# KiCad board dlev-mini.kicad_pcb (continued)
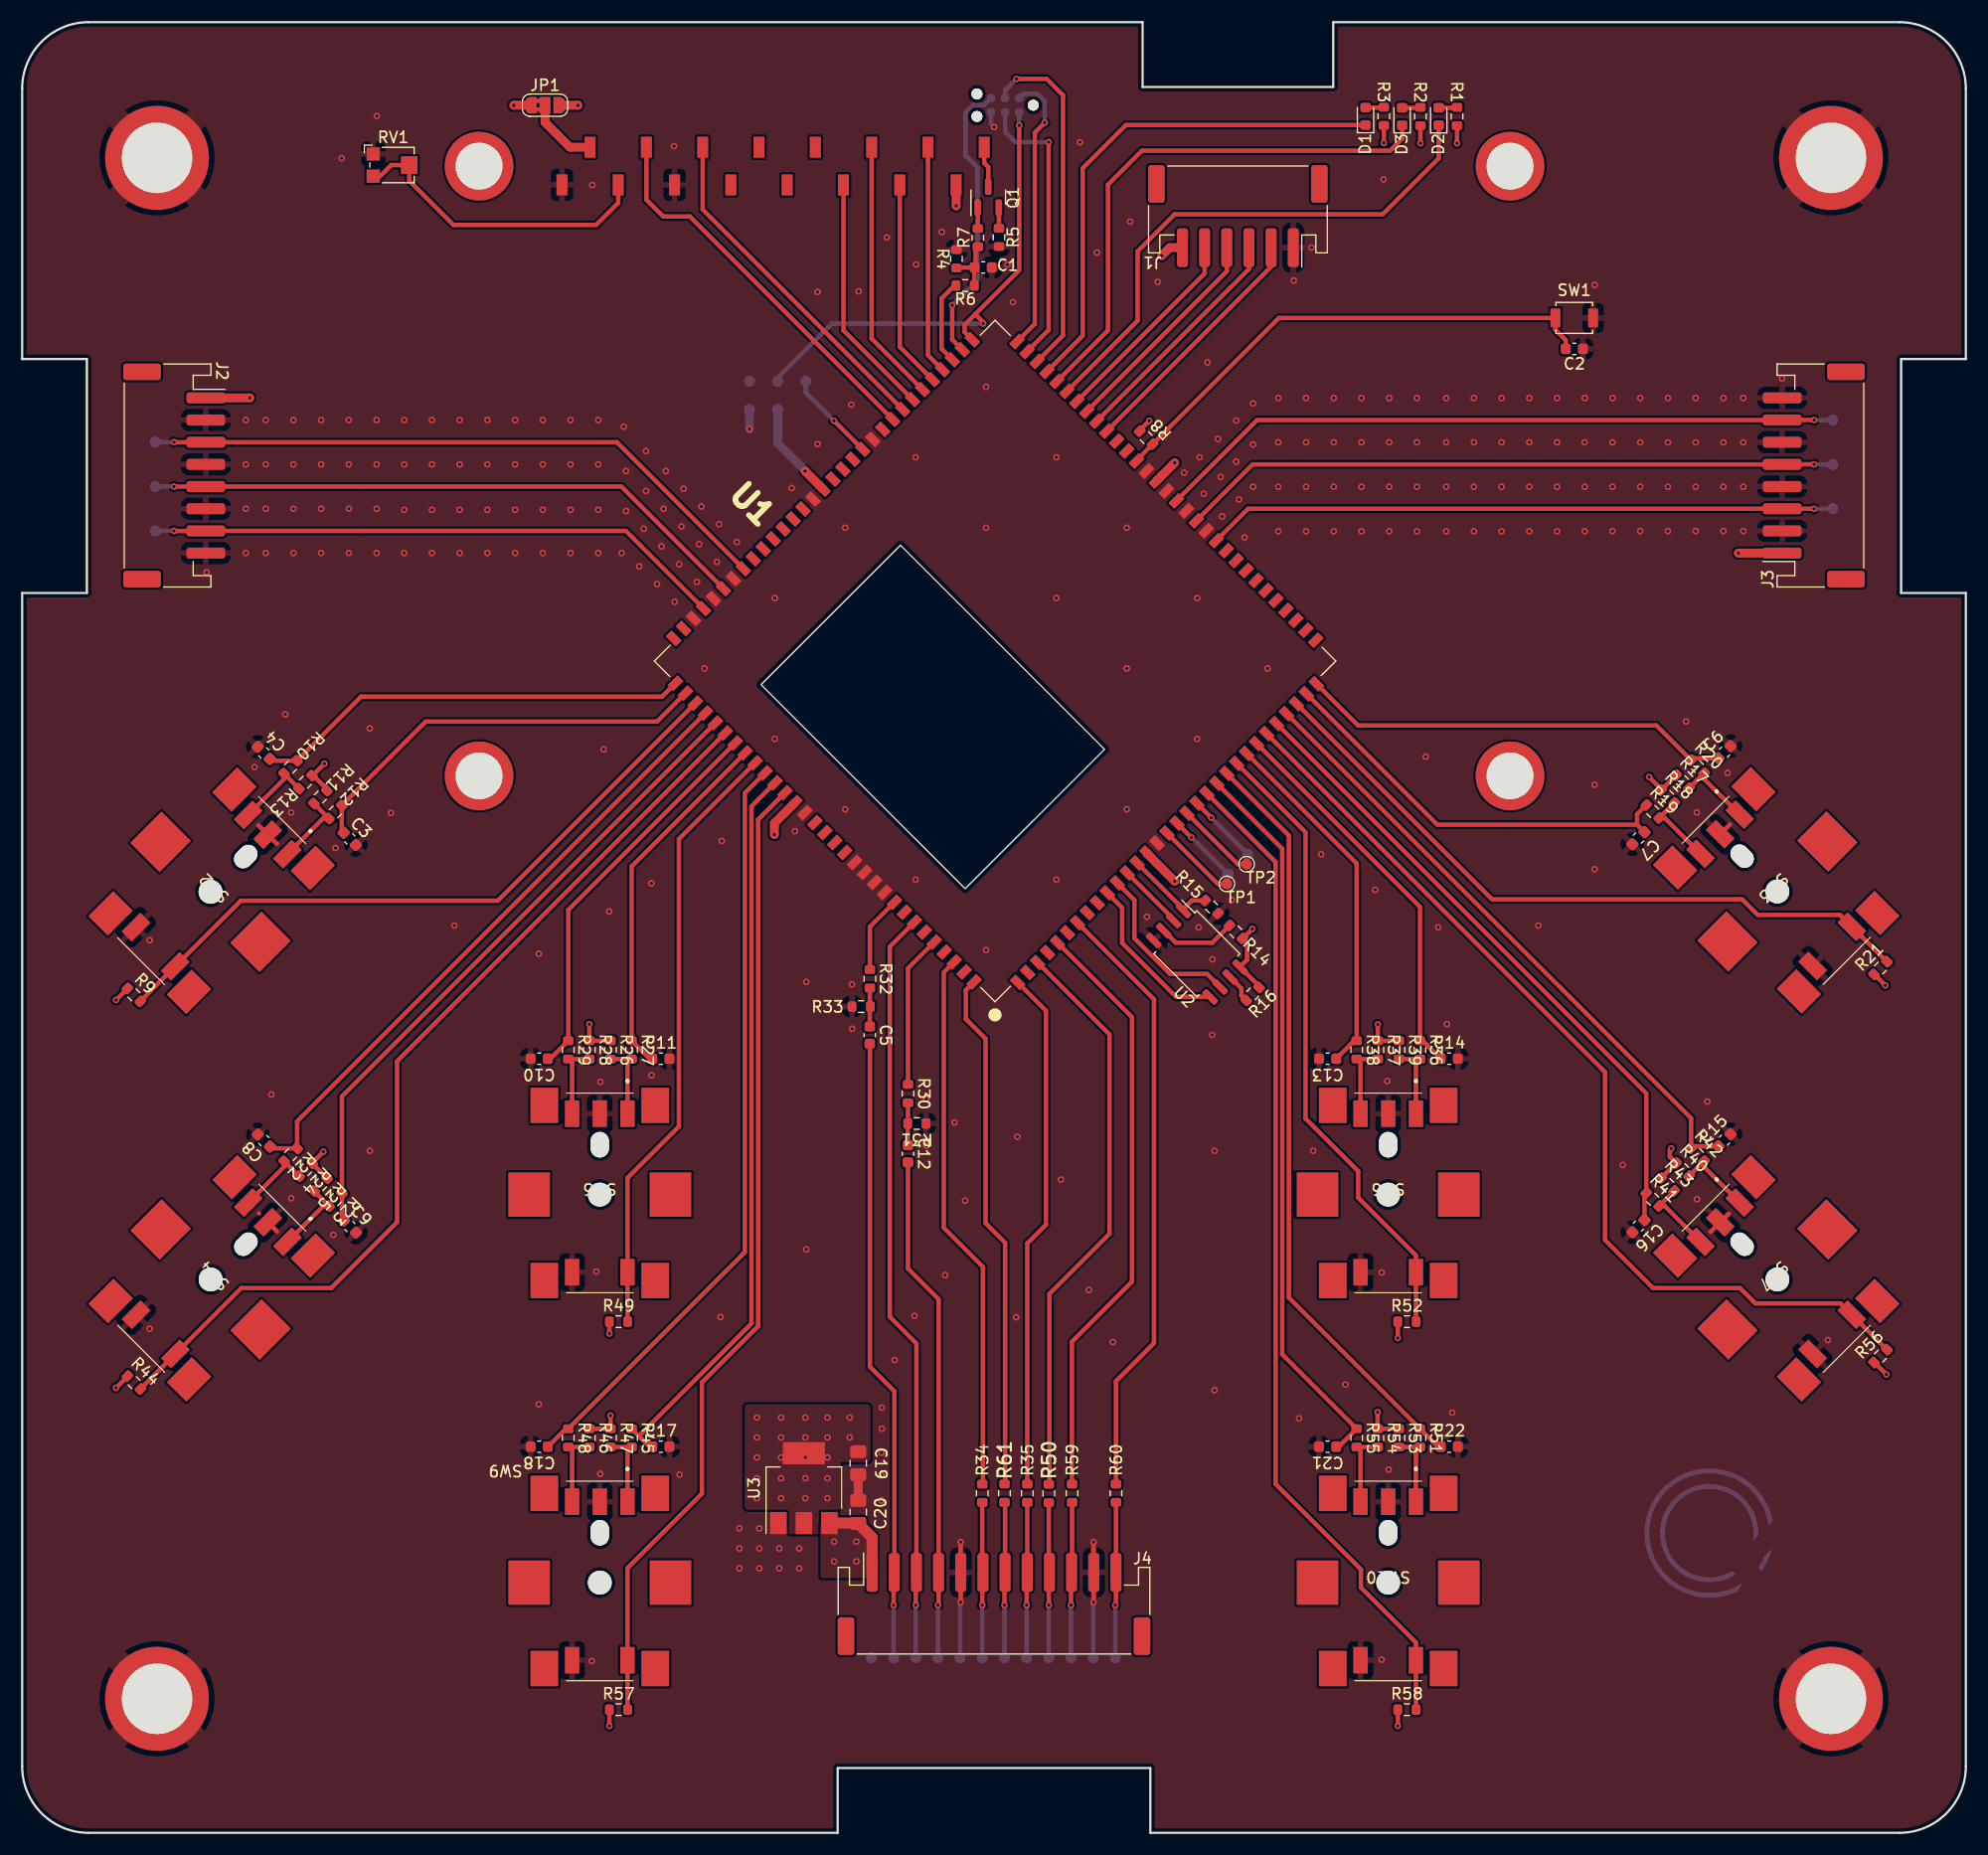
[diagram p0: board, top side]
## Footprints (pads in the part's own frame, mm; a bottom-side part is the same pattern mirrored in y, then rotated)
ac608-toponly
  rect 1.3x0.76 smd: 1(43.673,2.679) 2(43.673,3.949) 3(43.673,5.218) 4(43.673,6.489) 5(43.673,7.758) 6(43.673,9.029) 7(43.673,10.299) 8(43.673,11.569) 9(43.673,12.838) 10(43.673,14.108) 11(43.673,15.379) 12(43.673,16.648) 13(43.673,17.919) 14(43.673,19.188) 15(43.673,20.459) 16(43.673,21.729) 17(43.673,22.998) 18(43.673,24.268) 19(43.673,25.539) 20(43.673,26.808) 21(43.673,28.078) 22(43.673,29.348) 23(43.673,30.619) 24(43.673,31.889) 25(43.673,33.158) 26(43.673,34.428) 27(43.673,35.698) 28(43.673,36.968) 29(43.673,38.239) 30(43.673,39.508) 31(43.673,40.779) 63(-0.214,40.779) 64(-0.214,39.508) 65(-0.214,38.239) 66(-0.214,36.968) 67(-0.214,35.699) 68(-0.214,34.428) 69(-0.214,33.158) 70(-0.214,31.889) 71(-0.214,30.619) 72(-0.214,29.349) 73(-0.214,28.078) 74(-0.214,26.808) 75(-0.214,25.538) 76(-0.214,24.268) 77(-0.214,22.998) 78(-0.214,21.729) 79(-0.214,20.459) 80(-0.214,19.189) 81(-0.214,17.919) 82(-0.214,16.648) 83(-0.214,15.379) 84(-0.214,14.108) 85(-0.214,12.838) 86(-0.214,11.569) 87(-0.214,10.299) 88(-0.214,9.028) 89(-0.214,7.758) 90(-0.214,6.489) 91(-0.214,5.218) 92(-0.214,3.949) 93(-0.214,2.679)
  rect 0.76x1.3 smd: 32(40.859,43.523) 33(39.589,43.523) 34(38.319,43.523) 35(37.049,43.522) 36(35.779,43.523) 37(34.509,43.523) 38(33.239,43.522) 39(31.969,43.523) 40(30.699,43.523) 41(29.429,43.523) 42(28.159,43.523) 43(26.889,43.522) 44(25.619,43.523) 45(24.349,43.523) 46(23.079,43.523) 47(21.809,43.523) 48(20.539,43.522) 49(19.269,43.523) 50(17.999,43.523) 51(16.729,43.523) 52(15.459,43.523) 53(14.189,43.522) 54(12.919,43.523) 55(11.649,43.523) 56(10.379,43.522) 57(9.109,43.523) 58(7.839,43.523) 59(6.569,43.523) 60(5.299,43.523) 61(4.029,43.522) 62(2.759,43.523) 94(2.759,-0.063) 95(4.029,-0.063) 96(5.299,-0.063) 97(6.569,-0.063) 98(7.839,-0.063) 99(9.109,-0.063) 100(10.379,-0.063) 101(11.649,-0.063) 102(12.919,-0.063) 103(14.189,-0.063) 104(15.459,-0.063) 105(16.729,-0.063) 106(17.999,-0.063) 107(19.269,-0.063) 108(20.539,-0.063) 109(21.809,-0.063) 110(23.079,-0.063) 111(24.349,-0.063) 112(25.619,-0.063) 113(26.889,-0.063) 114(28.159,-0.063) 115(29.429,-0.063) 116(30.699,-0.063) 117(31.969,-0.063) 118(33.239,-0.063) 119(34.509,-0.063) 120(35.779,-0.063) 121(37.049,-0.063) 122(38.319,-0.063) 123(39.589,-0.063) 124(40.859,-0.063)
C_0603_1608Metric
  rrect 0.9x0.95 smd: 1(-0.775,0) 2(0.775,0)
C_0805_2012Metric_Pad1.18x1.45mm_HandSolder
  rrect 1.175x1.45 smd: 1(-1.038,0) 2(1.038,0)
ERM2004-2
  rect 1x1.9 smd: 1(-38.969,25.817) 2(-36.439,29.21) 3(-33.899,25.81) 4(-31.359,29.21) 5(-28.819,25.81) 6(-26.279,29.21) 7(-23.739,25.81) 8(-21.199,29.21) 9(-18.659,25.81) 10(-16.119,29.21) 11(-13.579,25.81) 12(-11.039,29.21) 13(-8.499,25.81) 14(-5.959,29.21) 15(-3.419,25.81) 16(-0.879,29.21)
JST_PH_S6B-PH-SM4-TB_1x06-1MP_P2.00mm_Horizontal
  rrect 1x3.5 smd: 1(-5,2.85) 2(-3,2.85) 3(-1,2.85) 4(1,2.85) 5(3,2.85) 6(5,2.85)
  rrect 1.5x3.4 smd: MP1(-7.35,-2.9) MP2(7.35,-2.9)
JST_PH_S8B-PH-SM4-TB_1x08-1MP_P2.00mm_Horizontal
  rrect 1x3.5 smd: 1(-7,2.85) 2(-5,2.85) 3(-3,2.85) 4(-1,2.85) 5(1,2.85) 6(3,2.85) 7(5,2.85) 8(7,2.85)
  rrect 1.5x3.4 smd: MP1(-9.35,-2.9) MP2(9.35,-2.9)
JST_PH_S12B-PH-SM4-TB_1x12-1MP_P2.00mm_Horizontal
  rrect 1x3.5 smd: 1(-11,2.85) 2(-9,2.85) 3(-7,2.85) 4(-5,2.85) 5(-3,2.85) 6(-1,2.85) 7(1,2.85) 8(3,2.85) 9(5,2.85) 10(7,2.85) 11(9,2.85) 12(11,2.85)
  rrect 1.5x3.4 smd: MP1(-13.35,-2.9) MP2(13.35,-2.9)
LED_0603_1608Metric
  rrect 0.875x0.95 smd: 1(-0.787,0) 2(0.787,0)
PEC11S-929K
  round 2.15 hole 2.15 unplated: (0,0.15)
  oval 1.65x2.3 hole 1.65x2.3 unplated: (0,-4.35)
  rect 1.3x2.4 smd: A(-2.5,-7.15) B(2.5,-7.15) C(0,-7.15) S1(-2.5,7.15) S2(2.5,7.15)
  rect 3.75x4 smd: MP1(-6.375,0.15) MP2(6.375,0.15)
  rect 2.5x3.2 smd: MP3(5,7.9) MP4(-5,7.9) MP5(-5,-7.9) MP6(5,-7.9)
PEC11S-929K#2
  round 2.15 hole 2.15 unplated: (0,0.15)
  oval 1.65x2.3 hole 1.65x2.3 unplated: (0,-4.35)
  rect 1.3x2.4 smd: A(-2.5,-7.15) B(2.5,-7.15) C(0,-7.15) S1(-2.5,7.15) S2(2.5,7.15)
  rect 3.75x4 smd: MP1(-6.375,0.15) MP2(6.375,0.15)
  rect 2.5x3.2 smd: MP3(5,7.9) MP4(-5,7.9) MP5(-5,-7.9) MP6(5,-7.9)
Potentiometer_Bourns_TC33X_Vertical
  rect 1.2x1.2 smd: 1(-1.8,1) 3(-1.8,-1)
  rect 1.5x1.6 smd: 2(1.45,0)
R_0603_1608Metric
  rrect 0.8x0.95 smd: 1(-0.825,0) 2(0.825,0)
SMTSO-M3
  round 6.2 hole 4.22: 1(0,0)
SMTSO-M4
  round 9.37 hole 6.35: 1(0,0)
SOIC-8_5.275x5.275mm_P1.27mm
  rrect 1.6x0.6 smd: 1(-3.6,1.905) 2(-3.6,0.635) 3(-3.6,-0.635) 4(-3.6,-1.905) 5(3.6,-1.905) 6(3.6,-0.635) 7(3.6,0.635) 8(3.6,1.905)
SolderJumper-3_P1.3mm_Bridged2Bar12_RoundedPad1.0x1.5mm_NumberLabels
  custom 1.05x1.5 smd: 1(-1.3,0) 3(1.3,0)
  rect 1x1.5 smd: 2(0,0)
SOT-23
  rrect 1.475x0.6 smd: 1(-0.938,0.95) 2(-0.938,-0.95) 3(0.938,0)
SOT-223-3_TabPin2
  rect 2x1.5 smd: 1(-3.15,2.3) 2(-3.15,0) 3(-3.15,-2.3)
  rect 2x3.8 smd: 2(3.15,0)
SW_SPST_B3U-1000P
  rect 0.9x1.7 smd: 1(-1.7,0) 2(1.7,0)
Tag-Connect_TC2030-IDC-NL_2x03_P1.27mm_Vertical
  round 0.991 hole 0.991 unplated: (-2.54,0) (2.54,-1.016) (2.54,1.016)
  round 0.787 smd: 1(-1.27,-0.635) 2(-1.27,0.635) 3(0,-0.635) 4(0,0.635) 5(1.27,-0.635) 6(1.27,0.635)
TestPoint_Pad_D1.0mm
  round 1 smd: 1(0,0)

## Nets
+2V5: J5.1 TP3.1 U1.63
+3V3: C19.1 JP1.1 R1.2 R2.2 R3.2 R8.2 R9.1 R11.1 R13.1 R14.2 R16.2 R17.1 R18.1 R21.1 R24.1 R25.1 R26.1 R28.1 R37.1 R39.1 R40.1 R43.1 R44.1 R46.1 R47.1 R49.1 R52.1 R53.1 R54.1 R56.1 R57.1 R58.1 TP7.1 U1.14 U1.48 U1.78 U1.106 U2.8 U3.2
GND: C1.2 C2.2 C3.2 C4.2 C6.2 C7.2 C8.2 C9.2 C10.2 C11.2 C13.2 C14.2 C15.2 C16.2 C17.2 C18.2 C19.2 C20.2 C21.2 C22.2 DS1.1 DS1.5 H1.1 H2.1 H7.1 H8.1 J1.1 J2.2 J2.4 J2.6 J2.8 J3.2 J3.4 J3.6 J3.8 J4.5 J4.11 J5.5 R4.1 R5.1 R15.2 R31.1 R33.1 RV1.1 SW1.2 SW2.C SW2.S2 SW3.C SW3.S2 SW4.C SW4.S2 SW5.C SW5.S2 SW6.C SW6.S2 SW7.C SW7.S2 SW9.C SW9.S2 SW10.C SW10.S2 TP5.1 TP14.1 TP20.1 U1.15 U1.43 U1.45 U1.47 U1.49 U1.73 U1.79 U1.87 U1.89 U1.91 U1.107 U1.112 U1.113 U1.114 U1.115 U2.4 U3.1
VDD: C20.1 DS1.15 J1.6 J2.1 J3.1 J4.1 JP1.3 TP4.1 TP10.1 U3.3
/encoder1/A1: R23.2 R25.2 SW4.A
/encoder1/B1: R22.2 R24.2 SW4.B
/encoder2/A1: R26.2 R27.2 SW5.A
/encoder2/B1: R28.2 R29.2 SW5.B
/encoder3/A1: R45.2 R47.2 SW9.A
/encoder3/B1: R46.2 R48.2 SW9.B
/encoder4/A1: R17.2 R20.2 SW3.A
/encoder4/B1: R18.2 R19.2 SW3.B
/encoder5/A1: R40.2 R42.2 SW7.A
/encoder5/B1: R41.2 R43.2 SW7.B
/encoder6/A1: R36.2 R39.2 SW6.A
/encoder6/B1: R37.2 R38.2 SW6.B
/encoder7/A1: R51.2 R53.2 SW10.A
/encoder7/B1: R54.2 R55.2 SW10.B
/encoder/A1: R11.2 R12.2 SW2.A
/encoder/B1: R10.2 R13.2 SW2.B
/FPGA/enc_1.a: C3.1 R12.1 U1.95
/FPGA/enc_1.b: C4.1 R10.1 U1.94
/FPGA/enc_1.s: R9.2 SW2.S1 U1.96
/FPGA/enc_2.a: C9.1 R23.1 U1.98
/FPGA/enc_2.b: C8.1 R22.1 U1.97
/FPGA/enc_2.s: R44.2 SW4.S1 U1.99
/FPGA/enc_3.a: C11.1 R27.1 U1.101
/FPGA/enc_3.b: C10.1 R29.1 U1.100
/FPGA/enc_3.s: R49.2 SW5.S1 U1.102
/FPGA/enc_4.a: C17.1 R45.1 U1.104
/FPGA/enc_4.b: C18.1 R48.1 U1.103
/FPGA/enc_4.s: R57.2 SW9.S1 U1.105
/FPGA/enc_5.a: C6.1 R20.1 U1.31
/FPGA/enc_5.b: C7.1 R19.1 U1.30
/FPGA/enc_5.s: R21.2 SW3.S1 U1.29
/FPGA/enc_6.a: C15.1 R42.1 U1.28
/FPGA/enc_6.b: C16.1 R41.1 U1.27
/FPGA/enc_6.s: R56.2 SW7.S1 U1.26
/FPGA/enc_7.a: C14.1 R36.1 U1.25
/FPGA/enc_7.b: C13.1 R38.1 U1.24
/FPGA/enc_7.s: R52.2 SW6.S1 U1.23
/FPGA/enc_8.a: C22.1 R51.1 U1.22
/FPGA/enc_8.b: C21.1 R55.1 U1.21
/FPGA/enc_8.s: R58.2 SW10.S1 U1.20
/FPGA/gpio_i2: TP9.1 U1.19
/FPGA/gpio_i3: TP2.1 U1.18
/FPGA/gpio_o2: TP8.1 U1.17
/FPGA/gpio_o3: TP1.1 U1.16
/FPGA/lcd.data0: DS1.11 U1.69
/FPGA/lcd.data1: DS1.12 U1.68
/FPGA/lcd.data2: DS1.13 U1.67
/FPGA/lcd.data3: DS1.14 U1.66
/FPGA/lcd.e: DS1.6 U1.70
/FPGA/lcd.pwm: R6.1 U1.65
/FPGA/lcd.rs: DS1.4 U1.71
/FPGA/led1: D2.1 U1.57
/FPGA/led2: D3.1 U1.58
/FPGA/led3: D1.1 U1.59
/FPGA/mem_spi.cl: U1.11 U2.6
/FPGA/mem_spi.cs: R15.1 U1.13 U2.1
/FPGA/mem_spi.di: U1.10 U2.5
/FPGA/mem_spi.do: U1.12 U2.2
/FPGA/pitch.quad: J2.3 TP27.1 U1.86
/FPGA/pitch.sq: J2.5 TP26.1 U1.88
/FPGA/pitch.zero: J2.7 TP25.1 U1.90
/FPGA/TCK: J5.4 U1.60
/FPGA/TDI: J5.3 U1.61
/FPGA/TDO: J5.6 U1.64
/FPGA/TMS: J5.2 U1.62
/FPGA/tuner.le: J1.3 U1.54
/FPGA/tuner.oe: J1.2 U1.53
/FPGA/tuner.scl: J1.5 U1.56
/FPGA/tuner.sda: J1.4 U1.55
/FPGA/vol.quad: J3.3 TP24.1 U1.42
/FPGA/vol.sq: J3.5 TP23.1 U1.44
/FPGA/vol.zero: J3.7 TP22.1 U1.46
/FPGA/~{reset}: C2.1 R8.1 SW1.1 U1.50
/LCD/backlight_cathode: DS1.16 Q1.3
/LCD/VLCD: DS1.2 JP1.2
/spdif_tx_0: R30.1 U1.120
/spdif_tx_1: R32.1 U1.116
acal_btn: R50.2 U1.3
midi_in: R60.2 U1.7
midi_out: R59.2 U1.5
mute_btn: R61.2 U1.124
mute_led: J4.3 TP12.1 U1.118
spdif_line: C12.2 J4.4 TP13.1
spdif_mon: C5.2 J4.2 TP11.1
uart_rx: R35.2 U1.1
uart_tx: R34.2 U1.122
Net-(C1-Pad1): C1.1 R4.2 R6.2 R7.1
Net-(C5-Pad1): C5.1 R32.2 R33.2
Net-(C12-Pad1): C12.1 R30.2 R31.2
Net-(D1-A): D1.2 R3.1
Net-(D2-A): D2.2 R1.1
Net-(D3-A): D3.2 R2.1
Net-(DS1-V0): DS1.3 RV1.2 RV1.3
Net-(J4-Pin_6): J4.6 R34.1 TP15.1
Net-(J4-Pin_7): J4.7 R61.1 TP16.1
Net-(J4-Pin_8): J4.8 R35.1 TP17.1
Net-(J4-Pin_9): J4.9 R50.1 TP18.1
Net-(J4-Pin_10): J4.10 R59.1 TP19.1
Net-(J4-Pin_12): J4.12 R60.1 TP21.1
Net-(Q1-B): Q1.1 R7.2
Net-(Q1-E): Q1.2 R5.2
Net-(U1-VDD1.2): TP6.1 U1.74
Net-(U2-~{HOLD}): R16.1 U2.7
Net-(U2-~{WP}): R14.1 U2.3

Pads without a net: DS1 7 8 9 10; H3 1; H4 1; H5 1; H6 1; J1 MP1 MP2; J2 MP1 MP2; J3 MP1 MP2; J4 MP1 MP2; SW2 MP1 MP2 MP3 MP4 MP5 MP6; SW3 MP1 MP2 MP3 MP4 MP5 MP6; SW4 MP1 MP2 MP3 MP4 MP5 MP6; SW5 MP1 MP2 MP3 MP4 MP5 MP6; SW6 MP1 MP2 MP3 MP4 MP5 MP6; SW7 MP1 MP2 MP3 MP4 MP5 MP6; SW9 MP1 MP2 MP3 MP4 MP5 MP6; SW10 MP1 MP2 MP3 MP4 MP5 MP6; U1 2 4 6 8 9 32 33 34 35 36 37 38 39 40 41 51 52 72 75 76 77 80 81 82 83 84 85 92 93 108 109 110 111 117 119 121 123

## Via types
v1: diameter 0.6, hole 0.3, Top to Bottom, 382 vias

## Routing (per net, layer and track width the routed paths; a pad name or vN(x,y) marks a point on that pad's centre or on a via; arc(x,y) is an arc through that point)
+2V5: length 44.9
  Top w0.4: v1(86.69,136.14) 86.69,136.27 85.97,136.99 ; 85.97,136.99 89.94,140.96 v1(89.94,154.02) ; 85.97,136.99 85.02,136.03 85.02,135.38 85.71,134.68
  Bottom w0.4: v1(86.69,136.14) 73.03,136.14 68.15,131.27 TP3.1 ; 89.94,155.21 89.94,154.02 v1(89.94,154.02)
+3V3: length 70.8
  Top w0.4: 122.83,154.02 122.83,152.44 ; 9.51,41.18 8.47,40.14 8.47,40.14 ; R54.1 124.19,36.45 ; 27.5,59.05 26.15,60.4 ; 51.16,71.47 51.16,72.94 51.17,72.94 ; R28.1 53.07,71.45 ; 129.44,154 129.44,152.41 ; 110.08,80.68 110.49,80.27 110.49,78.75 109.85,78.11 111.58,76.37 ; 26.13,60.41 27.17,61.44 27.17,61.44 ; 122.29,72.92 122.29,72.91 R37.1 124.19,71.45 ; v1(52.98,45.04) 52.97,45.04 52.97,46.23 ; 53.07,37.64 53.07,37.64 53.07,36.45 R46.1 ; R52.1 124.09,44.65 124.09,44.64 ; 147.85,59.06 R40.1 148.63,60.98 148.63,61.6 148.75,61.73 ; 147.85,94.06 R17.1 ; 126.13,154 126.13,152.41 ; 27.48,94.15 26.23,95.41 27.26,96.44 27.27,96.44 ; 100.81,126.52 v1(101.68,127.38) ; R58.1 124.09,9.65 124.09,9.64 ; 8.47,75.12 8.47,75.12 9.51,76.16 ; R57.1 52.97,9.65 52.97,9.64 ; v1(122.27,37.95) 122.27,37.94 122.27,36.48 ; 147.8,94.2 146.77,95.24 146.77,95.24 ; 168.07,76.44 168.07,76.45 167.03,77.48 ; 168.17,41.34 168.17,41.35 167.13,42.38 ; 110.97,81.54 110.97,81.54 110.13,80.7
  Top w0.8: 72.24,121.21 72.24,121.22 70.62,122.84 ; 45.87,155.84 44.36,155.84 v1(44.35,155.83) ; U1.48 102.33,121.95 103.97,123.59 ; 103.97,85.84 101.48,88.33 U1.14 ; 67.86,90.05 67.86,91.07 69.71,92.93
  Bottom w0.8: 70.62,122.84 70.62,122.88 68.15,125.35 TP7.1
  vias: v1(8.47,75.12) v1(8.47,40.14) v1(27.17,61.44) v1(27.27,96.44) v1(51.17,72.94) v1(52.97,9.64) v1(53.07,37.64) v1(66.27,37.46) v1(66.27,35.66) v1(66.27,33.86) v1(66.27,31.99) v1(66.27,30.19) v1(67.85,90.05) v1(68.45,37.46) v1(68.45,35.66) v1(68.45,33.86) v1(68.45,31.99) v1(68.45,30.19) v1(70.62,122.84) v1(70.65,37.46) v1(70.65,35.66) v1(70.65,33.86) v1(70.65,31.99) v1(70.65,30.19) v1(72.65,37.46) v1(72.65,35.66) v1(72.65,33.86) v1(72.65,31.99) v1(72.65,30.19) v1(74.65,37.46) v1(74.65,35.66) v1(103.97,123.59) v1(103.97,85.84) v1(110.97,81.54) v1(122.29,72.92) v1(122.83,152.44) v1(124.09,44.64) v1(124.09,9.64) v1(126.13,152.41) v1(129.44,152.41) v1(146.77,95.24) v1(148.75,61.73) v1(168.07,76.44) v1(168.17,41.34)
GND: length 33.4
  Top w0.4: 96.64,23.55 96.64,26.23 96.65,26.23 ; 22.16,55.08 22.99,54.25 ; v1(84.66,20.8) 84.67,20.81 84.67,23.49 ; 21.36,55.88 21.36,55.88 ; 153.95,55.83 153.92,55.83 152.33,54.23 152.33,54.23 ; 153.17,90.08 154.05,90.96 ; 84.67,26.23 84.66,26.23 84.66,23.55 ; 96.64,20.8 96.65,20.81 96.65,23.49 ; 21.31,90.88 22.96,89.23 22.96,89.23
  Top w0.8: 75.42,29.98 75.42,32.3
  Bottom w0.4: v1(84.66,20.8) 84.61,20.75 TP14.1 ; 87.68,153.87 87.4,154.16 87.4,155.21 ; v1(96.64,20.8) 96.61,20.77 TP20.1
  Bottom w0.8: TP5.1 v1(65.61,126.64)
  vias: v1(11.51,80.52) v1(11.51,45.47) v1(16.63,113.72) v1(20.17,127.44) v1(20.17,123.44) v1(20.17,119.44) v1(20.17,115.44) v1(20.97,96.14) v1(21.97,127.44) v1(21.97,123.44) v1(21.97,119.44) v1(21.97,115.44) v1(22.47,66.6) v1(23.74,100.89) v1(24.27,92.04) v1(24.27,57.24) v1(24.47,127.44) v1(24.47,123.44) v1(24.47,119.44) v1(24.47,115.44) v1(26.97,127.44) v1(26.97,123.44) v1(26.97,119.44) v1(26.97,115.44) v1(28.07,53.94) v1(28.27,88.84) v1(28.82,151.06) v1(29.47,127.44) v1(29.47,123.44) v1(29.47,119.44) v1(29.47,115.44) v1(31.36,99.62) v1(31.36,61.52) v1(31.97,127.44) v1(31.97,123.44) v1(31.97,119.44) v1(31.97,115.44) v1(32,154.87) v1(33.26,92) v1(34.47,127.44) v1(34.47,123.44) v1(34.47,119.34) v1(34.47,115.44) v1(36.97,127.44) v1(36.97,123.44) v1(36.97,119.34) v1(36.97,115.44) v1(38.98,81.84) v1(39.47,127.44) v1(39.47,123.44) v1(39.47,119.34) v1(39.47,115.44) v1(41.97,127.44) v1(41.97,123.44) v1(41.97,119.34) v1(41.97,115.44) v1(44.47,127.44) v1(44.47,123.44) v1(44.47,119.34) v1(44.47,115.44) v1(46.6,79.3) v1(46.6,38.66) v1(46.97,127.44) v1(46.97,123.44) v1(46.97,119.34) v1(46.97,115.44) v1(49.47,127.44) v1(49.47,123.44) v1(49.47,119.34) v1(49.47,115.44) v1(51.43,148.64) v1(51.38,15.49) v1(51.79,50.62) v1(51.97,127.44) v1(51.97,123.44) v1(51.97,119.34) v1(51.97,115.44) v1(52.17,67.74) v1(52.15,32.39) v1(52.44,97.74) v1(52.95,83.11) v1(54.07,115.44) v1(54.27,126.84) v1(54.47,122.84) v1(54.47,119.24) v1(55.67,114.24) v1(56.07,117.64) v1(56.27,124.64) v1(56.27,121.04) v1(56.76,85.65) v1(56.77,68.34) v1(57.27,112.64) v1(57.67,116.04) v1(57.87,119.44) v1(58.07,122.84) v1(58.8,152.15) v1(58.87,111.04) v1(59.27,114.44) v1(59.3,32.31) v1(59.47,117.84) v1(59.67,121.24) v1(60.87,112.84) v1(61.07,116.24) v1(61.27,119.64) v1(61.54,105.03) v1(62.67,114.64) v1(62.87,118.04) v1(62.99,46.53) v1(63.11,89.46) v1(64.47,116.44) v1(64.69,27.48) v1(64.69,25.65) v1(64.69,23.85) v1(66.49,27.46) v1(66.49,25.65) v1(66.49,23.85) v1(67.89,111.38) v1(67.89,98.68) v1(68.3,25.65) v1(68.3,23.85) v1(69.42,121.31) v1(69.7,90.35) v1(70.09,25.65) v1(70.09,23.85) v1(70.73,76.76) v1(70.73,52.63) v1(71.75,138.99) v1(71.75,125.28) v1(74.24,117.73) v1(74.24,92.33) v1(74.79,128.83) v1(74.85,76.53) v1(74.86,72.53) v1(75.45,139.04) v1(77.55,38.35) v1(77.55,36.45) v1(77.52,34.29) v1(77.52,32.26) v1(77.52,29.97) v1(77.99,143.92) v1(78.72,42.65) v1(80.49,46.63) v1(80.64,141.48) v1(80.59,124.08) v1(80.59,85.98) v1(81.56,66.18) v1(81.56,61.98) v1(82.96,144.4) v1(83.26,50.32) v1(84.11,64.08) v1(84.67,26.24) v1(85.06,57.04) v1(86.94,130.43) v1(86.94,117.73) v1(86.94,79.63) v1(87.68,153.87) v1(88.88,141.45) v1(89.37,138.08) v1(89.66,46.51) v1(89.78,62.79) v1(93.29,124.08) v1(93.29,111.38) v1(93.29,85.98) v1(93.71,58.93) v1(95.42,152.5) v1(96.22,48.97) v1(96.65,26.24) v1(96.94,142.55) v1(98.37,44.27) v1(99.64,117.73) v1(99.64,105.03) v1(99.64,92.33) v1(99.94,145.34) v1(101.46,82.64) v1(102.43,139.91) v1(104.81,122.69) v1(105.99,111.38) v1(105.99,98.68) v1(106.12,81.69) v1(106.21,124.09) v1(106.59,120.79) v1(106.92,132.64) v1(107.37,78.79) v1(107.34,71.98) v1(107.56,61.52) v1(107.56,39.93) v1(107.86,125.74) v1(108.11,122.31) v1(108.24,118.76) v1(109.12,84.15) v1(109.51,127.39) v1(109.51,123.68) v1(109.76,120.28) v1(110.27,116.85) v1(111.03,128.94) v1(111.03,125.23) v1(111.03,121.42) v1(112.34,105.03) v1(113.31,129.42) v1(113.31,125.44) v1(113.31,121.42) v1(113.31,117.41) v1(114.71,140.03) v1(115.18,37.39) v1(115.81,129.42) v1(115.81,125.44) v1(115.81,121.42) v1(115.81,117.41) v1(116.31,143) v1(116.45,61.52) v1(117.17,88.27) v1(118.31,129.42) v1(118.31,125.44) v1(118.31,121.42) v1(118.31,117.41) v1(119.37,40.44) v1(120.81,129.42) v1(120.81,125.44) v1(120.81,121.42) v1(120.81,117.41) v1(122.05,85.07) v1(122.63,50.55) v1(122.63,15.62) v1(122.8,149.15) v1(123.14,67.82) v1(123.27,32.77) v1(123.31,129.42) v1(123.31,125.44) v1(123.31,121.42) v1(123.31,117.41) v1(125.81,129.42) v1(125.81,125.44) v1(125.81,121.42) v1(125.81,117.4) v1(126.61,97.08) v1(127.74,81.69) v1(128.46,129.42) v1(128.46,125.44) v1(128.46,121.42) v1(128.46,117.41) v1(128.52,72.95) v1(129,37.9) v1(130.96,129.42) v1(130.96,125.44) v1(130.96,121.42) v1(130.96,117.41) v1(133.46,129.42) v1(133.46,125.44) v1(133.46,121.42) v1(133.46,117.41) v1(135.96,129.42) v1(135.96,125.44) v1(135.96,121.42) v1(135.96,117.41) v1(136.77,81.84) v1(138.46,129.42) v1(138.46,125.44) v1(138.46,121.42) v1(138.46,117.41) v1(140.96,129.42) v1(140.96,125.44) v1(140.96,121.42) v1(140.96,117.41) v1(141.85,139.63) v1(141.85,94.54) v1(141.85,86.92) v1(143.46,129.42) v1(143.46,125.42) v1(143.46,121.42) v1(143.46,117.42) v1(144.39,60.25) v1(145.96,129.42) v1(145.96,125.42) v1(145.96,121.42) v1(145.96,117.42) v1(148.46,129.42) v1(148.46,125.42) v1(148.46,121.42) v1(148.46,117.42) v1(150.11,100.26) v1(150.96,129.42) v1(150.96,125.42) v1(150.96,121.42) v1(150.96,117.42) v1(151.07,92.04) v1(151.08,57.15) v1(152.01,65.97) v1(153.46,129.42) v1(153.46,125.42) v1(153.46,121.42) v1(153.46,117.42) v1(153.84,95.61) v1(155.26,129.42) v1(155.26,125.42) v1(155.26,121.42) v1(155.26,117.42) v1(158.76,131.19) v1(162.89,44.45)
VDD: length 21.1
  Top w0.8: 84.25,146.76 84.25,146.77 84.25,148.65 ; v1(20.52,129.44) 20.52,129.44 16.58,129.44 ; 104.67,142.99 103.52,142.99 102.8,142.27 ; J3.1 v1(154.82,115.44) ; 50.14,155.83 50.13,155.84 48.47,155.84
  Top w1: 75.42,27.9 76.67,26.65 76.67,23.49 ; 72.82,27.94 75.38,27.94
  vias: v1(50.14,155.83) v1(73.24,26.26) v1(73.24,24.48) v1(75.25,26.26) v1(75.25,24.48) v1(84.25,146.76) v1(102.79,142.27)
/encoder1/A1: length 7
  Top w0.4: 26.33,57.88 R23.2 27.16,56.53 23.93,53.31
/encoder1/B1: length 7
  Top w0.4: R24.2 23.64,60.58 23.64,60.09 20.4,56.85
/encoder2/A1: length 7
  Top w0.4: 53.07,69.8 R27.2 54.61,69.43 54.61,64.87
/encoder2/B1: length 7
  Top w0.4: R28.2 49.26,69.8 49.61,69.45 49.61,64.87
/encoder3/A1: length 7
  Top w0.4: 53.07,34.8 R45.2 54.61,34.43 54.61,29.87
/encoder3/B1: length 7
  Top w0.4: 49.61,29.87 49.61,34.45 49.26,34.8 R46.2
/encoder4/A1: length 7
  Top w0.4: 150.37,94.25 R20.2 151.71,95.07 154.94,91.85
/encoder4/B1: length 7
  Top w0.4: 151.4,88.31 148.16,91.55 147.67,91.55 R18.2
/encoder5/A1: length 7
  Top w0.4: 150.37,59.25 R42.2 151.71,60.07 154.94,56.85
/encoder5/B1: length 7
  Top w0.4: 151.4,53.31 148.16,56.55 147.67,56.55 R43.2
/encoder6/A1: length 7
  Top w0.4: 124.19,69.8 R36.2 125.73,69.43 125.73,64.87
/encoder6/B1: length 7
  Top w0.4: 120.73,64.87 120.73,69.45 120.38,69.8 R37.2
/encoder7/A1: length 7
  Top w0.4: 125.73,29.87 125.73,34.43 R51.2 124.19,34.8
/encoder7/B1: length 7
  Top w0.4: 120.73,29.87 120.73,34.45 120.38,34.8 R54.2
/encoder/A1: length 7
  Top w0.4: 26.32,92.85 R12.2 27.14,91.5 SW2.A
/encoder/B1: length 7
  Top w0.4: 20.38,91.81 23.62,95.05 23.62,95.54 R13.2
/FPGA/enc_1.a: length 37.5
  Top w0.4: U1.95 57.27,100.24 36.4,100.24 28.83,92.67 28.83,90.38
/FPGA/enc_1.b: length 39.3
  Top w0.4: 22.5,96.71 R10.1 30.57,102.49 57.72,102.49 U1.94
/FPGA/enc_1.s: length 61.2
  Top w0.4: U1.96 42.91,84.08 19.72,84.08 SW2.S1 10.66,75.02
/FPGA/enc_2.a: length 58.6
  Top w0.4: U1.98 28.84,66.43 28.84,55.41
/FPGA/enc_2.b: length 56.8
  Top w0.4: 22.52,61.74 24.8,61.74 24.8,64.19 U1.97
/FPGA/enc_2.s: length 85.8
  Top w0.4: 10.68,40.06 19.76,49.14 27.87,49.14 33.82,55.09 33.82,69.61 U1.99
/FPGA/enc_3.a: length 32.5
  Top w0.4: 56.59,69.83 R27.1 54.98,87.17 U1.101
/FPGA/enc_3.b: length 35.4
  Top w0.4: U1.100 49.26,83.26 49.26,71.45 47.64,69.83
/FPGA/enc_3.s: length 55.2
  Top w0.4: 66.12,96.52 59.24,89.64 59.24,63.71 54.61,59.08 54.61,46.13
/FPGA/enc_4.a: length 66.6
  Top w0.4: 67.91,94.72 65.79,92.6 65.79,45.95 55.7,35.86 55.7,35.73 55.89,35.54 ; 56.59,34.83 R45.1
/FPGA/enc_4.b: length 68.8
  Top w0.4: 49.26,36.45 65.19,52.38 65.19,93.79 67.01,95.62 ; 49.03,36.45 47.42,34.83
/FPGA/enc_4.s: length 88.6
  Top w0.4: 68.81,93.82 66.39,91.4 66.39,45.7 61.32,40.63 61.32,30.6 54.61,23.89 54.61,11.13
/FPGA/enc_5.a: length 38.9
  Top w0.4: 116.74,103.65 120.5,99.89 147.41,99.89 150.55,96.76 ; C6.1 150.72,96.93
/FPGA/enc_5.b: length 37.8
  Top w0.4: R19.1 145.67,91.89 145.67,90.94 ; 115.84,102.75 127.66,90.94 145.67,90.94 ; 145.67,90.94 C7.1
/FPGA/enc_5.s: length 62.9
  Top w0.4: 168.19,78.59 163.98,82.8 156.55,82.8 155.15,84.21 132.59,84.21 U1.29
/FPGA/enc_6.a: length 56.6
  Top w0.4: 150.55,61.76 150.55,64.46 U1.28 ; C15.1 150.72,61.93
/FPGA/enc_6.b: length 58.4
  Top w0.4: C16.1 146.35,57.56 ; U1.27 146.51,66.7 R41.1
/FPGA/enc_6.s: length 87.8
  Top w0.4: 168.19,43.59 164.03,47.75 156.35,47.75 154.96,49.14 147.12,49.14 142.79,53.48 142.79,68.63 U1.26
/FPGA/enc_7.a: length 35.2
  Top w0.4: R36.1 126.1,83.52 U1.25 ; 126.34,71.45 C14.1
/FPGA/enc_7.b: length 32.3
  Top w0.4: 120.38,71.45 120.38,87.44 U1.24 ; 120.15,71.45 118.54,69.83
/FPGA/enc_7.s: length 57
  Top w0.4: U1.23 115.77,90.26 115.77,64.43 120.52,59.68 120.52,57.3 125.73,52.09 125.73,46.13
/FPGA/enc_8.a: length 68.6
  Top w0.4: 127.71,34.83 R51.1 114.27,48.28 114.27,89.96 U1.22
/FPGA/enc_8.b: length 65.7
  Top w0.4: 118.76,34.83 120.38,36.45 113.67,43.16 113.67,88.77 U1.21
/FPGA/enc_8.s: length 90.5
  Top w0.4: 125.73,11.13 125.73,17.16 120.77,22.12 120.77,23.76 113.07,31.46 113.07,87.57 U1.20
/FPGA/gpio_i2: length 6.5
  Top w0.4: U1.19 107.27,91.58 v1(107.27,91.57)
  Bottom w0.4: TP9.1 v1(107.27,91.57)
/FPGA/gpio_i3: length 7.3
  Top w0.4: U1.18 109.67,87.38 TP2.1
/FPGA/gpio_o2: length 6.5
  Top w0.4: v1(105.49,89.79) 105.46,89.79 U1.17
  Bottom w0.4: TP8.1 v1(105.49,89.79)
/FPGA/gpio_o3: length 7.3
  Top w0.4: U1.16 107.85,85.6 TP1.1
/FPGA/lcd.data0: length 21.9
  Top w0.4: 80.32,129.3 74.09,135.53 74.09,148.65
/FPGA/lcd.data1: length 23.8
  Top w0.4: 76.63,152.05 76.63,134.78 81.22,130.19
/FPGA/lcd.data2: length 18.8
  Top w0.4: 82.12,131.09 79.17,134.04 79.17,148.65
/FPGA/lcd.data3: length 20.6
  Top w0.4: 81.71,152.05 81.71,133.3 83.02,131.99
/FPGA/lcd.e: length 31.1
  Top w0.4: 61.39,152.05 61.39,146.43 79.42,128.4
/FPGA/lcd.pwm: length 7.6
  Top w0.4: 84.1,139.57 82.93,138.41 82.93,133.87 83.91,132.89
/FPGA/lcd.rs: length 35.2
  Top w0.4: 78.53,127.5 60.22,145.81 57.82,145.81 56.31,147.32 56.31,152.05
/FPGA/led1: length 48.9
  Top w0.4: D2.1 127.79,151.06 122.73,146 103.96,146 100.62,142.67 100.62,136.41 U1.57
/FPGA/led2: length 49.1
  Top w0.4: D3.1 124.48,152.83 123.4,151.74 101.01,151.74 97.95,148.68 97.95,135.53 U1.58
/FPGA/led3: length 46.8
  Top w0.4: 121.18,154.05 99.56,154.05 95.67,150.16 95.67,135.05 U1.59
/FPGA/mem_spi.cl: length 15.2
  Top w0.4: 108.05,76.31 106.88,77.48 103.54,77.48 100.33,80.69 100.33,84.14 U1.11
/FPGA/mem_spi.cs: length 8.2
  Top w0.4: 104.68,83.27 105.51,84.1 106.71,84.1 ; U1.13 104.68,83.38
/FPGA/mem_spi.di: length 15
  Top w0.4: U1.10 99.22,83.45 99.22,80.27 104.08,75.41 107.15,75.41
/FPGA/mem_spi.do: length 5.8
  Top w0.4: 103.79,82.48 U1.12
/FPGA/pitch.quad: length 57.8
  Top w0.4: 65.05,114.03 53.64,125.44 16.57,125.44 ; 16.57,125.44 13.7,125.44
  Bottom w0.4: v1(13.7,125.45) 12.03,125.45 12.02,125.44
/FPGA/pitch.sq: length 55
  Top w0.4: 16.56,121.43 13.7,121.43 ; 63.26,112.23 54.05,121.44 30.52,121.44 30.52,121.44 J2.5
  Bottom w0.4: v1(13.69,121.44) 12.02,121.44
/FPGA/pitch.zero: length 52.3
  Top w0.4: 61.46,110.44 54.46,117.44 30.52,117.44 30.52,117.44 J2.7 ; 16.56,117.43 13.7,117.43
  Bottom w0.4: v1(13.69,117.44) 12.02,117.44
/FPGA/TCK: length 32
  Top w0.4: U1.60 93.89,135.07 93.89,156.74 92.42,158.22 v1(89.69,158.22)
  Bottom w0.4: 88.67,156.48 88.67,157.19 v1(89.69,158.22)
/FPGA/TDI: length 25.8
  Top w0.4: U1.61 92.59,135.57 92.59,152.51
  Bottom w0.4: 92.59,152.51 89.6,152.51 88.67,153.44 88.67,155.21
  vias: v1(92.59,152.51)
/FPGA/TDO: length 26
  Top w0.4: v1(83.9,137.8) 83.9,134.7 84.81,133.79
  Bottom w0.4: J5.6 86.78,155.86 85.76,155.86 85.11,155.21 85.11,151.29 86.18,150.22 86.18,140.08 v1(83.9,137.8)
/FPGA/TMS: length 25.5
  Top w0.4: U1.62 91.35,136.12 91.35,153.37 v1(92.24,154.27)
  Bottom w0.4: 89.94,156.48 90.33,156.87 91.59,156.87 92.24,156.21 v1(92.24,154.27)
/FPGA/tuner.le: length 21.3
  Top w0.4: U1.54 110.67,141.07 110.67,142.99
/FPGA/tuner.oe: length 22.7
  Top w0.4: U1.53 112.67,141.27 112.67,142.99
/FPGA/tuner.scl: length 18.6
  Top w0.4: U1.56 106.67,140.66 106.67,142.99
/FPGA/tuner.sda: length 20
  Top w0.4: 108.67,142.99 108.67,140.87 U1.55
/FPGA/vol.quad: length 56.8
  Top w0.4: v1(161.64,119.43) 161.63,119.44 J3.3 ; 107.71,116.56 110.59,119.44 158.77,119.44
  Bottom w0.4: TP24.1 163.31,119.43 v1(161.64,119.43)
/FPGA/vol.sq: length 59.5
  Top w0.4: 158.77,123.45 161.64,123.45 v1(161.64,123.44) ; 158.77,123.44 111,123.44 U1.44
  Bottom w0.4: v1(161.64,123.44) TP23.1
/FPGA/vol.zero: length 62.2
  Top w0.4: U1.46 111.41,127.44 158.77,127.44 ; v1(161.64,127.44) 161.64,127.45 158.77,127.45
  Bottom w0.4: v1(161.64,127.44) TP22.1
/FPGA/~{reset}: length 46.3
  Top w0.4: 100.53,123.82 113.36,136.65 SW1.1 138.31,135.58 139.24,134.65 C2.1
/LCD/backlight_cathode: length 3.7
  Top w0.4: 86.79,152.05 86.79,150.63 87.15,150.27 87.15,148.49
/LCD/VLCD: length 6.5
  Top w0.8: 51.23,152.05 49.41,152.05 47.17,154.29 47.17,155.84
/spdif_tx_0: length 13.8
  Top w0.4: U1.120 79.91,77.98 R30.1
/spdif_tx_1: length 7
  Top w0.4: 76.47,77.82 76.47,81.72 78.69,83.95
acal_btn: length 51.9
  Top w0.4: 92.67,31.49 92.67,48.62 98.08,54.04 98.08,72.02 U1.3
midi_in: length 54.9
  Top w0.4: U1.7 102.1,75.19 102.1,44.17 98.67,40.74 R60.2
midi_out: length 53.9
  Top w0.4: U1.5 100.11,73.58 100.11,49.72 94.69,44.3 94.69,31.47
mute_btn: length 47
  Top w0.4: 85.87,76.76 85.13,76.02 85.13,73.42 86.91,71.64 86.91,55 88.67,53.24 88.67,31.52
mute_led: length 68.2
  Top w0.4: 80.67,23.49 80.67,44.14 78.27,46.54 78.27,79.93 80.48,82.15 ; v1(80.61,20.53) 80.61,23.43
  Bottom w0.4: TP12.1 v1(80.61,20.53)
spdif_line: length 45.8
  Top w0.4: v1(82.61,20.53) 82.67,20.59 J4.4 82.67,48.14 79.91,50.9 C12.2
  Bottom w0.4: TP13.1 v1(82.61,20.53)
spdif_mon: length 56.2
  Top w0.4: 76.47,71.17 76.47,42.04 78.68,39.83 78.68,23.51 ; v1(78.61,20.53) 78.61,23.44
  Bottom w0.4: TP11.1 v1(78.61,20.53)
uart_rx: length 47
  Top w0.4: U1.1 92.35,74.16 92.35,54.86 90.67,53.18 90.67,31.46
uart_tx: length 48.9
  Top w0.4: 86.67,31.52 86.67,51.05 83.14,54.58 83.14,77.62 84.08,78.56
Net-(C1-Pad1): length 5.1
  Top w0.4: 85.92,141.2 84.32,141.2 ; 86.21,143.07 86.01,142.86 86.01,141.29 ; 85.89,139.57 85.89,141.17
Net-(C5-Pad1): length 3.3
  Top w0.4: 76.47,74.67 76.47,76.27 ; C5.1 76.46,74.48
Net-(C12-Pad1): length 3.8
  Top w0.4: R31.2 79.88,62.05 ; R30.2 79.91,64
Net-(D1-A): length 1.6
  Top w0.4: 121.18,155.63 122.8,155.63
Net-(D2-A): length 1.6
  Top w0.4: D2.2 129.4,155.61
Net-(D3-A): length 1.6
  Top w0.4: D3.2 126.1,155.61
Net-(DS1-V0): length 28
  Top w0.4: 31.67,149.44 32.3,149.44 33.3,150.44 34.92,150.44 34.92,149.03 38.9,145.04 51.78,145.04 53.77,147.04 53.77,148.65
Net-(J4-Pin_6): length 13.9
  Top w0.4: v1(86.61,20.53) 86.61,23.44 ; R34.1 86.6,23.55
  Bottom w0.4: TP15.1 v1(86.61,20.53)
Net-(J4-Pin_7): length 13.9
  Top w0.4: v1(88.61,20.53) 88.61,23.44 ; 88.67,29.76 J4.7
  Bottom w0.4: TP16.1 v1(88.61,20.53)
Net-(J4-Pin_8): length 13.9
  Top w0.4: R35.1 90.67,23.5 ; v1(90.61,20.53) 90.61,23.44
  Bottom w0.4: TP17.1 v1(90.61,20.53)
Net-(J4-Pin_9): length 13.9
  Top w0.4: v1(92.61,20.53) 92.61,23.44 ; R50.1 92.61,23.55
  Bottom w0.4: TP18.1 v1(92.61,20.53)
Net-(J4-Pin_10): length 13.9
  Top w0.4: 94.71,23.53 R59.1 ; v1(94.61,20.53) 94.61,23.43
  Bottom w0.4: TP19.1 v1(94.61,20.53)
Net-(J4-Pin_12): length 14
  Top w0.4: 98.67,29.8 J4.12 98.67,20.59 v1(98.61,20.53)
  Bottom w0.4: TP21.1 v1(98.61,20.53)
Net-(Q1-B): length 1.9
  Top w0.4: 86.21,144.72 86.21,146.6
Net-(Q1-E): length 1.9
  Top w0.4: 88.11,144.74 88.11,146.6
Net-(U1-VDD1.2): length 8.3
  Top w0.4: 75.81,124.81 v1(73.23,127.38)
  Bottom w0.4: TP6.1 70.69,129.92 v1(73.23,127.38)
Net-(U2-~{HOLD}): length 2.7
  Top w0.4: 110.42,75.09 109.98,75.53 109.98,76.17 108.95,77.21
Net-(U2-~{WP}): length 7.2
  Top w0.4: 102.89,81.47 104.07,80.29 107.35,80.29 108.91,81.85

## Copper pours and planes (outline as drawn; the poured copper is in the pictures)
+3V3 on Top: 65.17,38.66 76.52,38.66 76.52,33.44 73.84,33.44 73.84,29.14 72.07,29.14 72.07,26.94 68.97,26.94 68.97,28.94 68.77,29.14 65.17,29.14
+3V3 on In2.Cu: -2.93,177.09 185.03,177.09 185.03,-10.87 -2.93,-10.87
GND on Top, In1.Cu: -2.93,177.09 185.03,177.09 185.03,-10.87 -2.93,-10.87
VDD on Top: 72.02,27.94 72.02,22.99 76.16,22.99 76.67,23.49 76.67,27.38 76.1,27.94
VDD on Bottom: -2.93,177.09 185.03,177.09 185.03,-10.87 -2.93,-10.87

## Text on the board
F.Mask: The instrument you are holding was created / without the use of generative AI.
